# KiCad board EBAZ4205.kicad_pcb (continued)
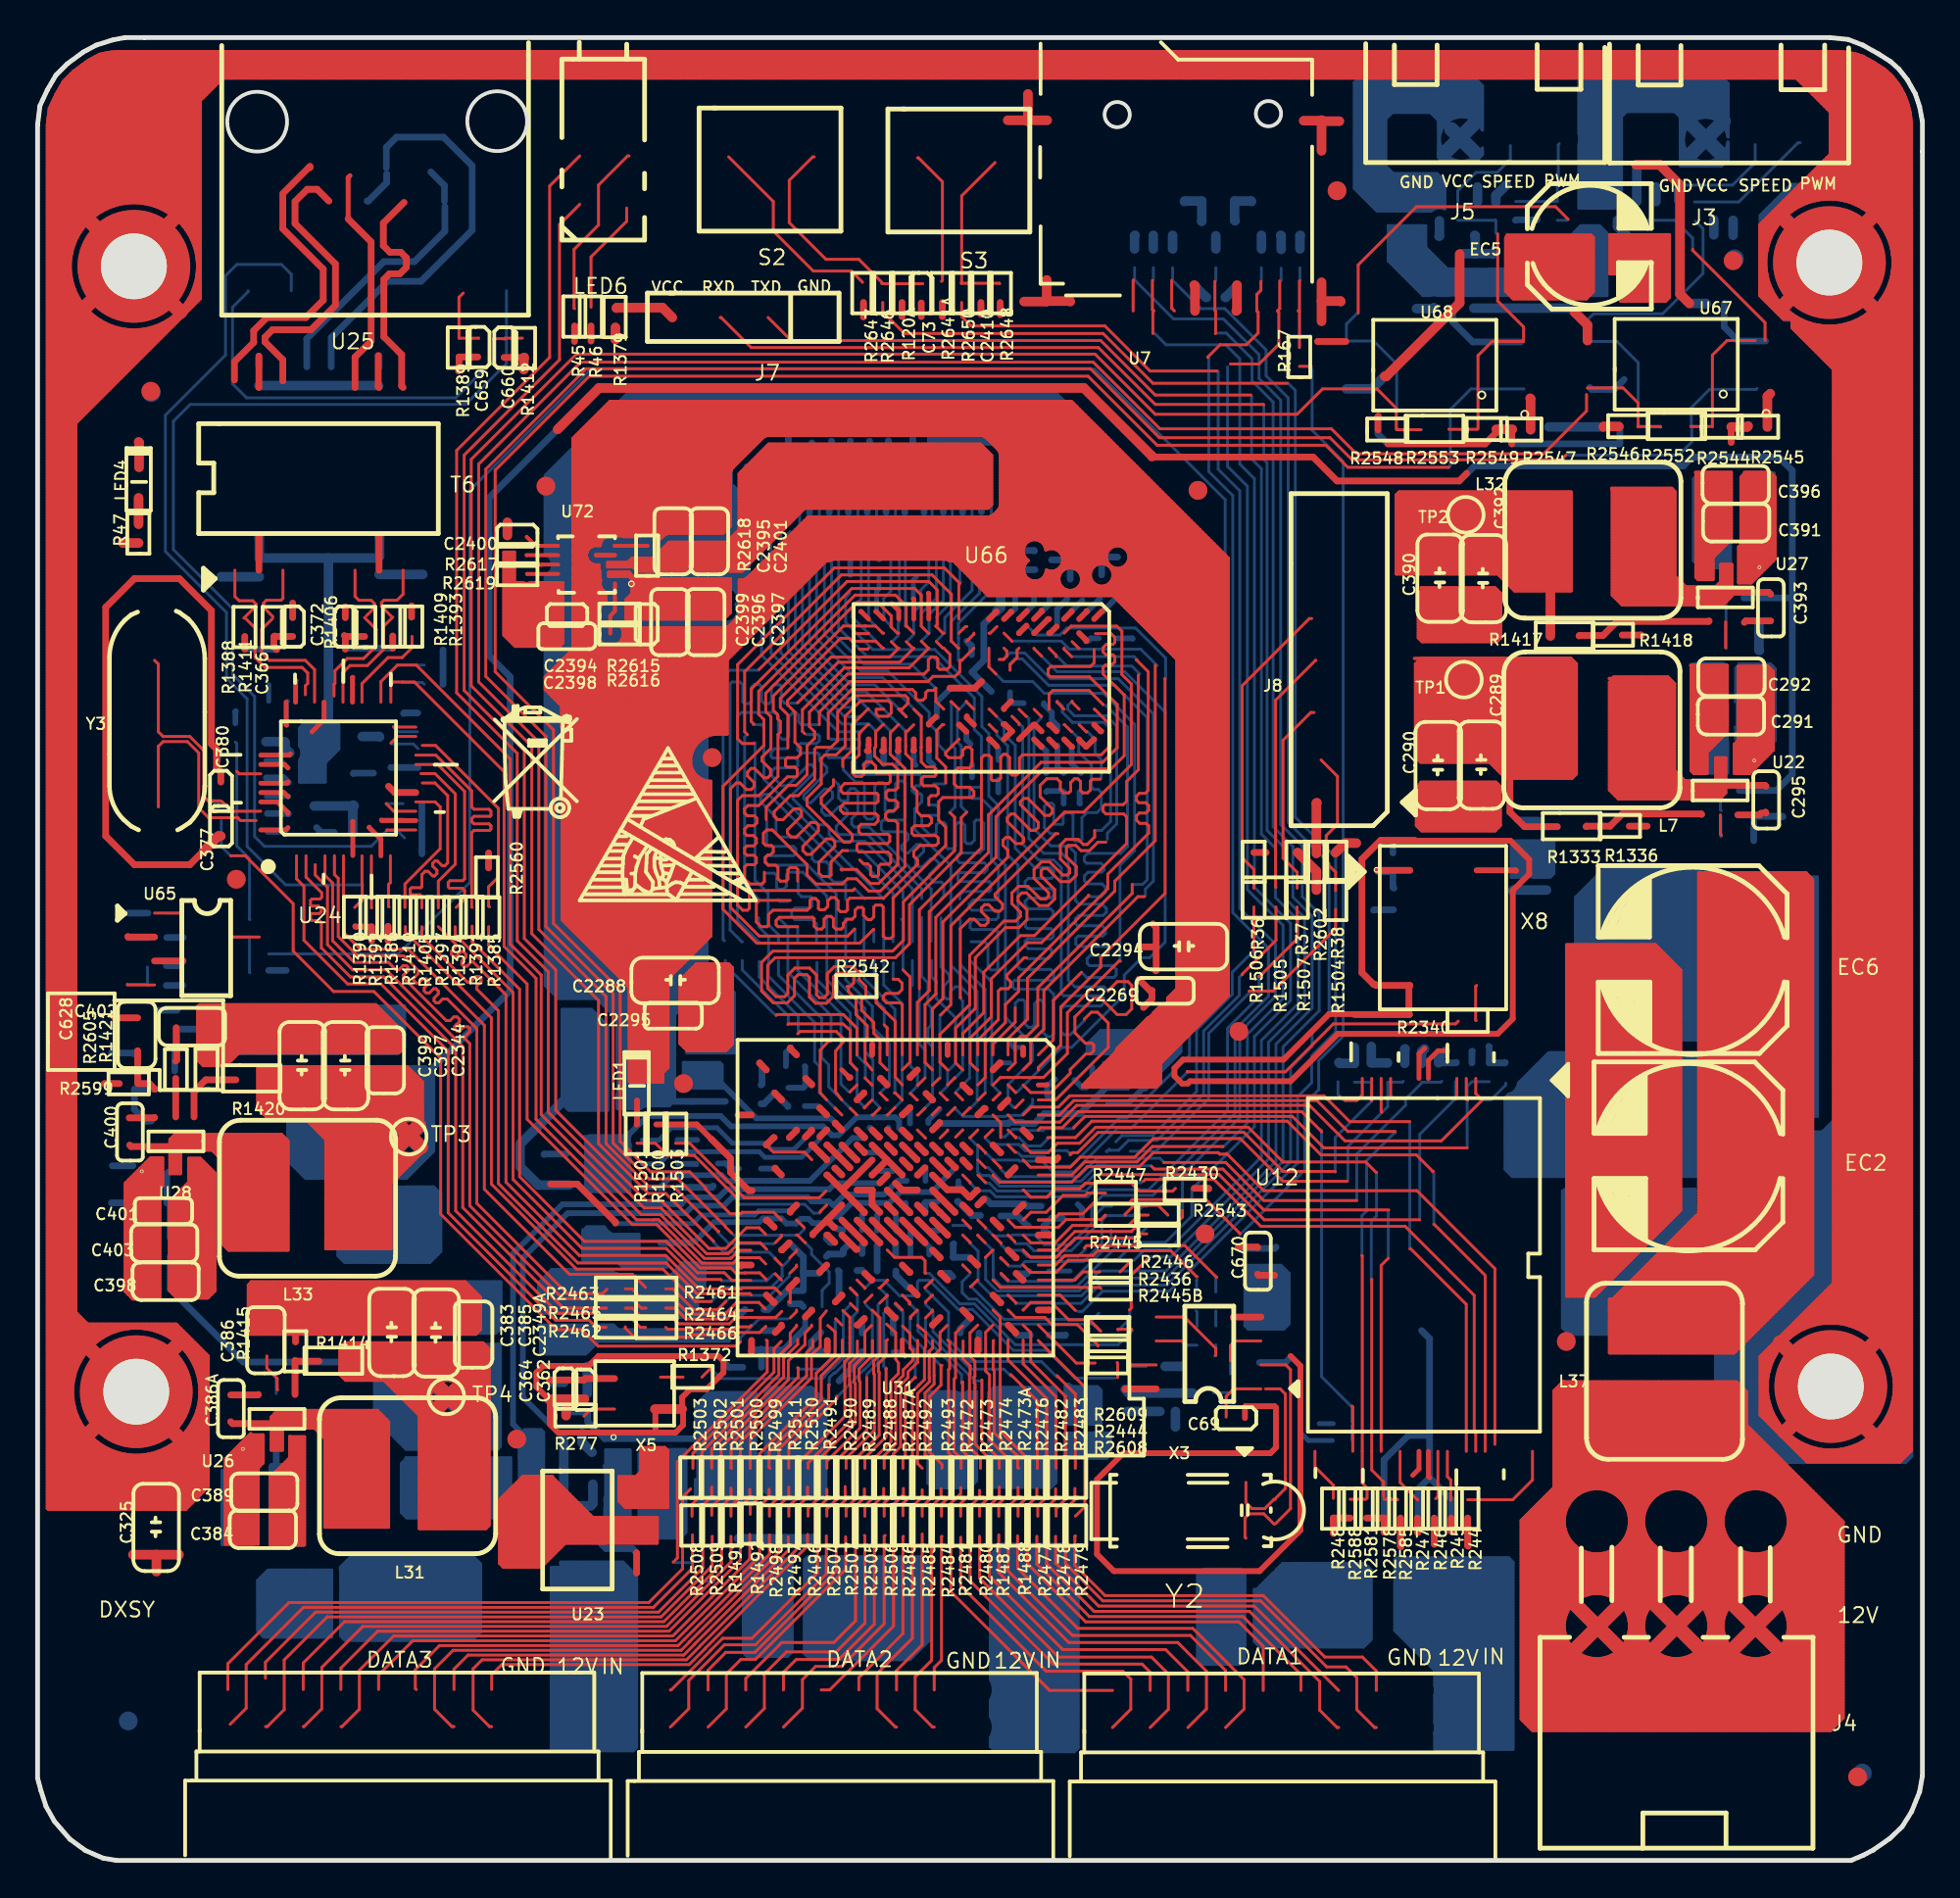
[diagram p0: board, top side]
## Routing (per net, layer and track width the routed paths; a pad name or vN(x,y) marks a point on that pad's centre or on a via; arc(x,y) is an arc through that point) (continued)
Net1: length 278738.8
  Top w0.152: 45.21,42.88 45.21,44.31 45.05,44.48 ; 43.25,29.65 43.6,29.3 ; 49.03,61.28 48.63,61.67 48.6,61.67 ; 36.9,18.33 36.9,18.85 37.4,19.35 37.4,22.28 40.93,25.8 40.93,27.03 41.25,27.35 41.25,27.7 ; 75.1,74.15 69.72,74.15 68.55,75.33 59.58,75.33 55.9,79 29.35,79 24.35,74 24.35,63.28 27.45,60.17 27.45,49.88 31,46.33 31,38.28 32.62,36.65 34.7,36.65 35.54,35.81 35.54,35.73 36.86,34.42 37.42,34.42 37.5,34.5 39.17,34.5 39.58,34.09 ; 11.88,55.85 10.33,55.85 9.83,56.35 ; 50.84,38.88 50.81,38.88 50.43,38.5 ; 50.84,37.28 51.25,36.88 51.25,36.88 ; 51.64,29.3 52.04,28.9 53.6,28.9 53.98,28.52 55.33,28.52 56.43,27.43 56.43,27.38 ; 40.85,32.88 40.43,33.29 40.39,33.29 ; 41.33,90.67 41.25,90.67 40,89.42 40,87.17 41.95,85.23 43.7,85.23 44.93,84 ; 51.03,60.9 50.65,61.28 50.63,61.28 ; 39.93,59.23 39.93,60.98 39.53,61.38 39.53,61.85 42.72,65.05 43.2,65.05 43.36,64.89 43.77,64.89 43.77,64.9 44.6,64.9 44.97,64.53 45.03,64.53 ; 12.2,26.85 12.2,26.2 12.75,25.65 12.75,25.08 12.78,25.05 ; 60.49,82.48 60.35,82.62 60.35,84.1 ; 46.08,19.8 46.08,19.48 45.55,18.95 45.55,12.48 42.15,9.08 41.7,9.08 ; 10.28,53.48 11.05,53.48 13.6,50.93 13.6,48.4 15.75,46.25 17.9,46.25 21.45,42.7 21.45,34.4 27.6,28.25 28.95,28.25 29.83,27.38 37.18,27.38 37.4,27.6 ; 53.43,60.9 53.4,60.9 53.03,61.28 ; 50.45,36.1 50.42,36.1 50.03,36.49 ; 48.1,18.33 48.1,18.95 48.65,19.5 48.65,21.53 48.47,21.7 48.47,26.12 48.53,26.18 48.53,27.59 48.43,27.7 ; 36.33,82.13 36.38,82.13 37.98,80.53 56.45,80.53 59.47,77.5 65.22,77.5 65.25,77.48 ; 14.25,62.05 14.25,62.53 14.38,62.65 14.38,63.2 14.08,63.5 12.1,63.5 11.58,64.03 11.58,65.6 11.03,66.15 ; 21.33,49.7 22.25,48.78 22.25,48.62 22.03,48.4 22.03,48.23 22.12,48.12 22.28,48.12 22.53,48.38 22.65,48.38 22.8,48.23 22.8,48.1 22.58,47.88 22.58,47.7 22.68,47.6 22.85,47.6 23.08,47.83 23.18,47.83 24.93,46.08 24.93,36.1 28.83,32.2 33.43,32.2 35.2,30.43 37.45,30.43 37.5,30.47 39.23,30.47 39.55,30.15 ; 46.22,65.7 46.22,65.7 46.2,65.7 ; 46.22,65.7 46.22,66.78 45.65,67.35 43.5,67.35 38.38,62.23 38.38,61 38.65,60.73 38.65,59.35 36.48,57.17 36.48,50.62 38.28,48.83 43.75,48.83 44.47,49.55 44.5,49.55 ; 46.22,65.7 46.25,65.7 46.63,65.33 ; 67.15,79.53 67.78,79.53 ; 43.08,46.53 43.25,46.53 43.43,46.7 43.43,47.08 43.28,47.23 42.55,47.23 42.35,47.03 42.35,46 41.97,45.62 41.4,45.62 41.08,45.95 41.08,47 40.93,47.15 40.47,47.15 40.28,46.95 40.28,46.03 39.9,45.65 39.15,45.65 38.53,46.28 38.53,47.8 39.12,48.4 45.5,48.4 46.08,48.98 46.08,51.03 48.8,53.75 48.8,55.53 48.55,55.78 ; 75.1,76.17 76.62,76.17 ; 43,17.23 43,15.5 38.2,10.7 37.43,10.7 36.65,9.93 36.65,8.07 35.68,7.1 ; 76.03,41.62 76.03,40.52 76.1,40.45 ; 47.08,18.33 47.08,18.83 47.58,19.33 47.58,21.25 47.22,21.6 47.22,24.88 47.71,25.36 47.71,25.81 47.7,25.81 47.7,26.88 48.03,27.2 48.03,28.1 48.4,28.48 ; 52.05,40.88 52.04,40.88 51.64,41.28 ; 63.22,7.08 64.2,8.06 64.2,9.62 61.47,12.35 55.35,12.35 52.15,15.55 52.15,17.28 ; 65.9,51.8 65.88,51.83 65.88,61.75 68,63.88 68.03,63.88 ; 48,40.08 47.62,39.7 47.62,39.68 ; 52.45,40.48 52.04,40.08 52.03,40.08 ; 47.25,28.88 47.62,29.25 47.62,29.3 ; 49.43,61.7 49.43,61.68 49.83,61.28 ; 50.12,19.7 50.12,19.35 49.62,18.85 49.62,14.88 54.05,10.45 58.78,10.45 59.21,10.02 59.21,9.05 ; 45.21,39.68 45.23,39.68 45.62,40.08 ; 71.5,21.78 71.5,31.67 71.88,32.05 ; 51.18,63.92 51.4,63.92 51.58,64.1 51.58,64.38 51.43,64.53 ; 56.83,35.53 55.88,35.53 55.75,35.4 54.58,35.4 53.68,34.5 52.86,34.5 52.45,34.09 ; 64.3,20.12 64.3,19.05 64.62,18.73 65.3,18.73 65.8,19.23 65.88,19.23 ; 66.5,78.63 59.35,78.63 56.7,81.28 46.12,81.28 44.97,82.42 44.97,82.92 ; 39.97,29.75 40.05,29.68 ; 50.45,37.68 50.44,37.68 50.03,38.08 ; 63.08,38 59.33,38 58.5,37.18 55.73,37.18 55.04,36.49 53.25,36.49 ; 20.45,49.7 20.45,49.18 22.88,46.75 23.03,46.75 23.33,47.05 23.5,47.05 23.6,46.95 23.6,46.78 23.38,46.55 23.38,46.38 24.53,45.23 24.53,36.03 28.75,31.8 33.45,31.8 35.08,30.17 37.9,30.17 37.98,30.1 ; 53.25,32.49 54.22,32.49 55.2,33.48 58.2,33.48 58.53,33.8 60.47,33.8 60.93,34.25 60.93,34.6 ; 52.45,42.08 52.85,42.48 52.85,43.55 53.55,44.25 53.55,46.3 58.55,51.3 58.9,51.3 ; 40.39,29.3 40.39,29.21 40.05,28.88 ; 67.03,51.75 67.03,52.6 66.28,53.35 66.28,59.63 67.75,61.1 67.93,61.1 ; 44.03,41.65 44.4,41.28 44.41,41.28 ; 43.25,40.03 43.26,40.03 43.6,39.68 ; 52.62,48.05 52.5,48.05 51.58,47.12 51.58,46.98 51.78,46.78 51.78,46.53 51.65,46.4 51.25,46.4 51.12,46.28 51.12,44.75 50.03,43.66 50.03,42.88 ; 50.63,60.45 50.65,60.45 51.03,60.08 ; 23.12,49.73 23.12,48.9 25.65,46.38 25.65,36.4 29.1,32.95 33.45,32.95 35.12,31.28 36.54,31.28 36.95,30.88 37.95,30.88 ; 46.82,39.68 46.86,39.68 47.22,40.05 ; 20.48,57.35 21.15,57.35 21.83,56.67 21.83,53.1 21.68,52.95 21.53,52.95 21.28,53.2 21.15,53.2 21.03,53.08 21.03,52.93 21.25,52.7 21.25,52.53 21.12,52.4 21.03,52.4 20.78,52.65 20.62,52.65 20.45,52.48 20.45,51.83 20.4,51.78 19.9,51.78 19.83,51.7 19.83,51.48 19.9,51.4 20.35,51.4 20.45,51.3 20.45,50.7 ; 42.8,40.48 42.46,40.91 42.46,43.07 42.88,43.58 42.88,43.75 42.5,44.12 40.58,44.12 40.45,44 ; 17.78,50.7 17.77,50.71 17.77,53.48 ; 43.47,51.73 43.38,51.62 38.08,51.62 37.88,51.43 37.88,50.68 37.78,50.58 37.53,50.58 37.25,50.85 37.25,56.42 37.5,56.67 38.38,56.67 39.4,57.7 39.4,59.92 39.53,60.05 39.53,60.63 39.38,60.78 39.38,61 39.15,61.23 39.15,61.98 42.88,65.71 44.05,65.71 44.05,65.7 44.6,65.7 44.97,65.33 45.03,65.33 ; 38.55,51.98 37.9,51.98 37.62,52.25 37.62,52.88 37.75,53 38.15,53 38.25,53.1 38.25,53.38 38.12,53.5 37.75,53.5 37.62,53.62 37.62,53.88 37.75,54 38.1,54 38.25,54.15 38.25,54.4 38.1,54.55 37.75,54.55 37.62,54.67 37.62,54.9 37.8,55.08 38.12,55.08 38.28,55.23 38.28,55.48 38.15,55.6 37.78,55.6 37.62,55.75 37.62,55.98 37.8,56.15 38.38,56.15 39.9,57.67 40.35,57.67 40.43,57.75 40.43,58.08 40.3,58.2 39.88,58.2 39.8,58.28 39.8,58.6 39.9,58.7 40.43,58.7 40.6,58.88 40.6,59.23 40.3,59.53 40.3,61.13 39.9,61.53 39.9,61.73 42.22,64.05 45.35,64.05 45.83,64.53 45.78,64.53 45.43,64.88 ; 38.55,51.98 38.6,52.03 ; 38.55,51.98 38.68,52.1 38.68,52.6 ; 43.6,30.1 43.25,30.45 43.25,30.48 ; 53.03,64.53 53.03,64.5 53.43,64.1 ; 55.43,60.45 55.8,60.08 55.83,60.08 ; 44.41,42.08 44.04,42.51 44.04,43.66 44.15,43.83 44.15,44.43 43.55,45.03 43.55,45.85 43.15,46.25 43.15,46.43 ; 72,41.62 72,40.7 72.12,40.58 72.78,40.58 ; 51.64,30.89 51.63,30.89 51.28,31.25 ; 76.65,76.2 76.65,80.1 77.4,80.85 79.08,80.85 79.08,81.63 77.7,83 77.7,86.58 ; 48.43,39.68 48.43,39.68 48.83,40.08 ; 50.95,90.38 49.18,88.6 49.18,83.92 ; 18.55,56.25 18.95,55.85 20.12,55.85 ; 51.18,19.88 51.18,19.4 50.65,18.88 50.65,15.12 54.55,11.23 60.03,11.23 61.21,10.04 61.21,9.05 ; 58.1,29.3 58.2,29.4 58.2,31.15 59,31.95 59,31.98 ; 67.8,66.1 67.68,66.1 64.1,62.53 64.1,53.38 64.72,52.75 64.72,51.75 ; 18.8,59.48 19.15,59.83 20.12,59.83 ; 41.97,17.28 41.97,15.25 38.2,11.48 36.55,11.48 34.65,9.58 34.65,8.07 33.68,7.1 ; 51.2,83.92 51.18,83.95 49.18,83.95 49.15,83.98 ; 18.77,53.48 18.77,52.05 18.68,51.95 18.68,50.78 18.7,50.75 ; 47.62,30.1 47.25,29.72 47.25,29.7 ; 59.93,37.15 63.22,37.15 65.25,35.12 70.2,35.12 ; 56.58,28.18 55.97,28.78 54.88,28.78 53.95,29.7 52.85,29.7 52.45,29.3 52.45,29.3 ; 48.85,40.85 48.86,40.85 49.23,40.48 ; 38.95,17.33 38.95,16.3 34.41,11.76 ; 45.21,30.1 45.21,30.06 44.83,29.68 ; 52.45,32.49 52.84,32.1 54.2,32.1 55.22,33.12 58.38,33.12 58.6,33.35 59.03,33.35 ; 18.58,54.83 18.6,54.85 20.12,54.85 ; 41.95,35.62 41.6,35.28 37.6,35.28 34.7,38.18 33.95,38.18 ; 18.95,60.35 18.98,60.32 20.12,60.32 ; 63.47,79.65 65,79.65 66.05,80.7 66.05,82.4 65.98,82.48 66.1,82.6 66.1,84.08 ; 9.75,56.4 9.18,56.4 9.12,56.35 8.85,56.63 8.85,59.08 8.1,59.83 6.68,59.83 6.43,60.08 6.43,63.67 6.23,63.88 ; 52.08,29.68 52.06,29.68 51.64,30.1 ; 46.05,18.35 46.05,19 46.55,19.5 46.55,24.95 46.89,25.29 47.2,25.6 47.2,27.21 47.26,27.38 47.26,28.11 46.83,28.48 ; 17.26,61.65 17.26,62.64 18.65,64.03 19.4,64.03 19.93,64.55 19.93,65.15 ; 63.25,23.6 63.25,24.7 63.65,25.1 65.1,25.1 ; 56.55,57.55 56.12,57.55 56.03,57.45 56.03,56.98 55.88,56.83 55.62,56.83 55.5,56.95 55.5,57.42 55.35,57.58 55.18,57.58 54.97,57.38 54.97,56.92 54.88,56.83 54.6,56.83 54.43,57 54.43,57.4 54.25,57.58 53.7,57.58 53.35,57.23 53.35,56.63 54,55.98 54,55.78 53.85,55.63 53.6,55.63 52.7,56.53 52.47,56.53 52.3,56.35 52.3,56.2 53.25,55.25 53.25,54.98 53.1,54.83 52.85,54.83 51.97,55.7 51.8,55.7 51.6,55.5 51.6,55.3 52.47,54.42 52.47,54.23 52.38,54.12 52.05,54.12 51.72,54.45 51.53,54.45 51.38,54.3 51.38,54.03 51.62,53.78 51.62,53.4 48.18,49.95 48.18,45.88 47.62,45.32 47.62,42.88 ; 48.12,17.25 48.1,17.23 48.1,10.65 47.71,10.26 47.71,9.08 ; 30.25,28.38 29.73,28.38 29.35,28.75 27.58,28.75 21.85,34.48 21.85,43.08 18.28,46.65 16.5,46.65 14.18,48.98 14.18,51.85 13.78,52.25 13.78,53.48 ; 56.97,46.28 56.97,46.3 57.45,46.78 58.03,46.78 58.22,46.58 58.22,45.33 57.93,45.03 57.45,45.03 56.58,45.9 56.2,45.9 55.2,44.9 55.2,44.05 55.75,43.5 56.1,43.5 56.2,43.4 56.2,43.1 56.03,42.93 55.78,42.93 54.95,42.1 54.95,41.9 53.93,40.88 52.85,40.88 52.45,41.28 ; 21.33,50.7 21.33,52.12 22.23,53.03 22.23,56.78 21.15,57.85 20.4,57.85 ; 44,17.3 44.03,17.28 44.03,12.62 42.5,11.1 39.85,11.1 38.68,9.93 38.68,8.09 37.69,7.1 ; 45.21,42.08 44.83,42.46 44.83,43.25 44.83,43.26 44.83,43.69 44.5,44.03 44.5,44.6 43.85,45.25 43.85,45.83 44.08,46.05 44.08,46.48 ; 48.12,20.88 48.12,21.08 47.48,21.72 47.48,24.7 48.08,25.3 48.08,26.35 48.08,26.35 48.13,26.35 ; 56.28,26.48 55.27,26.48 53.25,28.5 ; 64.1,47.15 64.1,47.18 65.9,48.98 65.9,50.75 ; 44.83,40.85 45.2,40.48 45.21,40.48 ; 46.22,64.88 46.58,64.53 46.63,64.53 45.88,63.78 42.6,63.78 40.45,61.63 ; 46.05,20.88 46.05,21.4 46.18,21.53 46.18,25.2 46.68,25.7 46.73,25.7 ; 50.03,33.29 50.03,33.27 50.43,32.88 ; 60.15,34.35 59.62,34.88 58.35,34.88 57.88,34.4 57.88,34.35 ; 50.84,33.29 51.28,32.85 51.28,32.85 ; 24.25,81 24.88,81 ; 56.22,61.28 56.25,61.28 57.08,60.45 57.08,59.33 56.6,58.85 52.43,58.85 52.25,58.67 52.25,57.92 52.1,57.78 51.85,57.78 51.72,57.9 51.72,58.7 51.55,58.88 51.4,58.88 51.25,58.73 51.25,57.6 51.12,57.48 50.83,57.48 50.75,57.55 50.75,58.7 50.62,58.83 50.38,58.83 50.22,58.67 50.22,53.9 46.93,50.6 46.93,46.4 ; 65.1,26.38 66.43,26.38 66.68,26.12 66.68,18.73 65.88,17.93 ; 44.03,20.88 44.03,21.43 45.15,22.55 45.15,26.15 45.18,26.18 ; 14.74,61.65 14.74,63.39 14.25,63.88 12.33,63.88 11.93,64.28 11.93,65.53 12.5,66.1 ; 43.03,20.88 43.03,21.4 44.53,22.91 44.53,25.87 44.49,25.91 44.49,26.58 44.83,26.92 44.83,28.88 44.41,29.3 ; 70.49,41.62 70.49,40.74 70.2,40.45 69.6,40.45 69.58,40.48 ; 55.22,20.88 55.22,24.83 54.25,25.8 ; 41.99,34.89 41.65,34.54 41.65,34.5 ; 50.03,34.09 50.45,33.68 ; 59.28,36.95 59.43,36.8 63.08,36.8 65.25,34.62 71.9,34.62 ; 46.82,41.28 46.85,41.28 47.22,41.65 ; 34.75,19.78 34.33,19.35 34.33,15.53 32.53,13.73 13.38,13.73 10.13,10.48 10.13,9.1 ; 49.12,17.2 49.12,14.62 53.68,10.08 57.75,10.08 58.18,9.65 58.18,8.05 57.95,7.83 57.2,7.08 ; 51.25,38.48 51.25,39.27 50.84,39.68 ; 42.45,40.05 42.45,40.03 42.8,39.68 ; 69.7,36.15 66.28,36.15 64,38.43 59.38,38.43 58.38,37.43 55.48,37.43 54.95,36.9 52.83,36.9 52.7,37.03 52.7,37.03 52.45,37.28 ; 52.03,33.7 54.32,33.7 54.74,34.12 56.59,34.12 56.79,34.32 ; 52.03,33.7 51.64,34.09 ; 52.03,33.7 53.95,33.7 ; 41.2,37.3 40.8,37.7 39.16,37.7 38.78,38.08 ; 46.42,29.65 46.42,29.62 46.4,29.62 46.4,29.65 46.43,29.68 46.43,29.69 46.01,30.1 ; 43.6,42.88 43.6,44.3 42.88,45.03 39.35,45.03 39.3,44.98 ; 51.64,38.08 52.03,37.7 52.05,37.7 ; 40.39,34.09 40.8,33.68 ; 15.8,53.48 15.8,52.48 16,52.28 16,49.18 17.03,48.15 19.48,48.15 20.25,47.38 20.25,47.2 20,46.95 20,46.85 20.15,46.7 20.28,46.7 20.5,46.93 20.68,46.93 20.8,46.8 20.8,46.68 20.58,46.45 20.58,46.28 20.68,46.18 20.85,46.18 21.08,46.4 21.2,46.4 21.33,46.28 21.33,46.12 21.1,45.9 21.1,45.75 21.2,45.65 21.35,45.65 21.55,45.85 21.8,45.85 23.38,44.28 23.38,34.98 28.18,30.18 30.08,30.18 30.3,30.4 ; 37.98,28.48 37.9,28.4 37.18,28.4 37.05,28.28 33.53,28.28 33.43,28.38 ; 34.85,17.33 34.85,15.55 32.77,13.47 14.15,13.47 11.1,10.43 11.1,8.1 10.25,7.25 ; 49.23,34.09 49.64,33.68 49.65,33.68 ; 42.53,24.7 42.53,24.58 39.97,22.03 39.97,20.88 ; 24.83,80.98 24.88,81.03 25.8,81.03 ; 53.25,27.68 55.72,25.2 55.72,18.83 55.22,18.33 ; 54.2,18.33 54.2,18.73 54.7,19.23 54.7,24.7 52.85,26.55 52.85,28.09 52.45,28.5 ; 65.22,9.05 65.22,11.4 63.93,12.7 55.78,12.7 52.68,15.8 52.68,18.88 53.18,19.38 53.18,19.78 ; 38.95,18.33 38.95,18.85 39.45,19.35 39.45,21.9 42.1,24.55 42.1,25.3 42.12,25.33 ; 50.12,18.33 50.12,18.83 50.7,19.4 50.7,19.67 50.7,19.68 50.7,20.07 50.7,20.08 50.7,20.67 50.7,20.68 50.7,21.07 50.7,21.08 50.7,21.35 49.88,22.17 49.88,25.17 49.89,25.18 49.89,25.36 49.84,25.41 49.84,25.74 49.88,25.78 49.88,26.57 49.62,26.83 49.62,28.08 50.03,28.5 ; 12.13,7.12 12.23,7.12 13.12,8.03 13.12,10.68 15.41,12.96 33.18,12.96 35.9,15.68 35.9,17.25 ; 28.58,82.6 28.55,82.63 28.55,85.75 29.85,87.05 29.85,89.17 31.4,90.73 31.48,90.73 ; 20.12,56.34 21.16,56.34 21.43,56.08 21.43,53.85 19.55,51.98 19.55,50.73 ; 43.75,53.25 43.95,53.05 44.18,53.05 44.33,52.9 44.33,52.48 44.43,52.38 44.68,52.38 44.75,52.45 44.75,52.9 44.88,53.03 45.3,53.03 45.4,53.12 45.4,53.53 45.25,53.68 43.7,53.68 43.6,53.78 43.6,54.05 43.68,54.12 45.22,54.12 45.35,54.25 45.35,54.53 45.25,54.63 43.83,54.63 43.7,54.75 43.7,55.03 43.83,55.15 44.55,55.15 44.72,55.33 44.72,55.6 44.6,55.73 42.9,55.73 42.72,55.9 42.72,56.08 42.93,56.28 44.62,56.28 44.72,56.38 44.72,56.73 44.65,56.8 42.88,56.8 42.75,56.92 42.75,57.13 42.95,57.33 45.28,57.33 45.38,57.42 45.38,57.75 45.25,57.88 44.65,57.88 44.6,57.92 44.6,58.25 44.38,58.48 44.12,58.48 43.97,58.33 43.97,57.83 43.85,57.7 43.53,57.7 43.35,57.88 43.35,58.48 43.72,58.85 43.72,59.95 43.75,59.98 43.75,60.03 44.18,60.45 44.23,60.45 ; 45.71,9.08 45.71,10.11 47.08,11.48 47.08,17.38 ; 42.05,28.48 42.44,28.14 42.44,26.92 41.43,25.93 41.43,24.66 38.43,21.65 38.43,19.38 37.93,18.88 37.93,18.43 ; 38.75,28.43 38.43,28.1 37.25,28.1 37.12,27.98 34.83,27.98 34.7,27.85 31.75,27.85 31.28,28.33 31.28,28.4 ; 53.83,61.28 53.83,62.08 54.03,62.28 55.95,62.28 56.7,61.53 ; 57.47,28.28 58.2,28.28 58.22,28.25 ; 54.3,54.65 54.18,54.65 50.95,51.43 50.95,51.3 51.35,50.9 51.35,50.68 51.2,50.53 50.95,50.53 50.6,50.88 50.4,50.88 50.22,50.7 50.22,50.5 50.58,50.15 50.58,49.93 50.43,49.78 50.18,49.78 49.85,50.1 49.6,50.1 49.1,49.6 49.1,45.93 49.12,45.93 ; 49.03,66.08 49.03,67.93 49.08,67.98 48.25,68.8 42.4,68.8 37.25,63.65 37.25,59.7 37.5,59.45 38.12,59.45 ; 50.84,41.28 51.24,41.68 53.53,41.68 54.8,42.95 54.8,45.12 57.55,47.88 57.6,47.88 ; 52.45,35.69 52.46,35.69 52.85,35.3 53.7,35.3 54.15,35.75 55.45,35.75 55.75,36.05 58.2,36.05 58.62,35.62 60.4,35.62 60.55,35.78 ; 51.75,63.35 51.75,63.65 52.12,64.03 52.12,64.42 52.23,64.53 ; 77.03,21.78 77.03,31.14 74.33,33.85 74.3,33.85 ; 48.23,65.33 48.18,65.33 47.8,65.7 47.88,65.78 47.88,65.93 47.87,65.93 47.87,66.22 47.88,66.22 47.88,67.63 47.43,68.08 43.08,68.08 38.4,63.4 ; 71.5,41.62 71.5,39.85 71.53,39.83 ; 46.45,28.85 46.45,28.93 46.82,29.3 ; 40.39,32.49 40.39,32.44 40.03,32.08 ; 41.19,28.5 41.19,28.44 40.84,28.06 40.84,27.45 39.95,26.6 39.95,25.58 36.38,22 36.38,19.33 35.88,18.83 35.88,18.38 ; 44,19.78 44,19.33 43.53,18.85 43.53,12.75 42.38,11.6 39.6,11.6 37.69,9.69 37.69,9.08 ; 59.47,63.63 59.47,54.28 57.33,52.12 57.33,51.6 52.68,46.95 52.68,44.78 51.64,43.74 51.64,42.88 ; 48.1,84.05 48.15,84.1 48.15,89.35 46.88,90.63 46.83,90.63 ; 67.12,82.48 67.15,82.45 67.15,80.53 ; 52.18,18.33 52.18,18.85 52.7,19.38 52.7,21.38 51.22,22.85 51.22,28.91 50.84,29.3 ; 69.08,50.62 69.08,49.6 65.75,46.28 64.47,46.28 ; 30.28,29.4 27.98,29.4 22.62,34.75 22.62,43.33 18.55,47.4 16.78,47.4 15.43,48.75 15.43,51.8 14.78,52.45 14.78,53 ; 91.93,80.9 91.93,81.85 88.08,85.7 88.08,85.75 ; 47.62,42.08 47.22,42.47 47.22,45.55 47.8,46.12 47.8,50.2 51,53.4 51,55.55 53.55,58.1 57.12,58.1 57.83,58.8 57.83,62.03 56.7,63.15 56.7,63.5 56.83,63.63 57.15,63.63 57.33,63.8 57.33,64.08 57.22,64.17 56.85,64.17 56.7,64.33 56.7,64.55 56.88,64.73 57.22,64.73 57.33,64.83 57.33,65.1 57.12,65.3 56.3,65.3 ; 62.65,84.05 62.65,82.51 62.69,82.48 62.69,81.29 62.68,81.28 ; 44.41,40.48 44,40.07 44,40.05 ; 32.35,30.5 31.65,31.2 28.3,31.2 23.78,35.73 23.78,44.45 19.73,48.5 17.18,48.5 16.28,49.4 16.28,53.48 ; 57.2,9.05 53.85,9.05 48.6,14.3 48.6,19 49.12,19.53 49.12,19.85 ; 43.9,84 43.3,84.6 41.28,84.6 39.15,86.73 39.15,88.3 36.78,90.67 ; 42.8,28.5 42.47,28.82 42.47,28.83 ; 54.25,61.7 54.25,61.65 54.62,61.28 ; 73.03,39.33 69.83,39.33 68.45,40.7 54.93,40.7 54.33,40.1 52.87,40.1 52.45,39.68 ; 50.84,36.49 50.84,36.46 51.2,36.1 55.03,36.1 55.85,36.93 58.62,36.93 59.38,37.68 62.83,37.68 62.91,37.59 63.24,37.59 63.27,37.62 65.25,35.65 73.4,35.65 77.55,31.5 77.55,22.15 ; 35.35,25.73 35.85,26.23 35.88,26.23 ; 53.25,30.89 55.19,30.89 55.62,31.33 56.53,31.33 ; 35.85,29.75 35,29.75 33.28,31.48 28.68,31.48 24.15,36 24.15,44.85 19.58,49.43 19.58,49.7 ; 61.18,42 61.2,41.98 66.4,41.98 68.95,44.53 75.45,44.53 75.6,44.68 ; 41.97,29.25 41.65,28.85 41.65,27.35 41.18,26.9 41.18,25.68 37.93,22.43 37.93,20.88 ; 36.38,30.9 36.35,30.93 35.1,30.93 33.45,32.58 28.98,32.58 25.3,36.25 25.3,46.2 22.23,49.28 22.23,49.7 ; 39.97,19.88 39.97,19.4 39.45,18.88 39.45,16.4 34.69,11.64 34.69,11.63 34.25,11.19 22.11,11.19 21.12,10.2 21.12,8.05 22.05,7.12 22.16,7.12 ; 71,40.45 70.99,40.46 70.99,41.62 ; 89.12,76.3 89.12,80.13 89.9,80.9 91.4,80.9 ; 54.95,37.55 55.08,37.68 55.35,37.68 56.43,38.75 64.2,38.75 66.28,36.68 69.03,36.68 69.05,36.65 ; 50.03,38.88 49.63,38.48 49.6,38.48 ; 45.83,65.33 45.75,65.33 45.4,65.67 ; 24.16,9.1 24.16,9.89 24.7,10.42 34.67,10.42 35.53,11.28 35.53,11.29 40.97,16.74 40.97,17.35 ; 74.4,19.25 74.52,19.37 74.52,21.78 ; 69.23,7.08 69.15,7.08 68.22,8 68.22,9.53 64.49,13.26 56.22,13.26 53.7,15.78 53.7,18.78 54.18,19.25 54.18,19.78 ; 49.45,64.9 49.83,65.28 49.83,65.33 ; 51.85,60.9 52.23,60.52 52.23,60.45 ; 73.55,34.1 65.28,34.1 62.87,36.51 58.68,36.51 58.68,36.5 56.47,36.5 56.45,36.53 ; 47.03,64.9 47.4,64.53 47.43,64.53 46.38,63.48 42.93,63.48 40.7,61.25 40.7,60.1 40.83,59.98 ; 44.23,64.53 44.18,64.48 43.72,64.48 ; 33.43,30.43 33.8,30.43 34.9,29.33 36.2,29.33 36.62,29.75 ; 45.24,30.89 44.83,30.48 44.78,30.48 ; 42,20.88 42,21.25 43.77,23.02 43.77,25.48 43.72,25.53 43.72,26.17 44.43,26.88 44.43,27.68 ; 87.97,76.33 89.03,76.33 ; 61.21,7.08 62.2,8.06 62.2,10.08 60.68,11.6 54.88,11.6 51.15,15.33 51.15,17.33 ; 46.82,38.88 47.25,38.45 ; 38.78,30.93 38.43,31.28 37.65,31.28 37.64,31.27 37.16,31.27 36.89,31.54 35.26,31.54 32.94,33.85 31.65,33.85 26.05,39.45 26.05,46.65 24,48.7 24,49.7 ; 71.24,7.08 71.15,7.08 70.2,8.03 70.2,9.73 69.62,10.3 68.6,10.3 65.08,13.82 56.68,13.82 54.7,15.8 54.7,18.7 55.2,19.2 55.2,19.8 ; 4.78,46.62 4.8,46.6 6.23,46.6 ; 45.65,29.65 45.66,29.65 46.01,29.3 ; 42.85,29.28 43.22,28.9 43.22,28.66 43.22,27.86 43.22,26.83 42.95,26.56 42.95,25.73 42.96,25.72 42.96,23.63 40.47,21.15 40.47,19.35 39.97,18.85 39.97,18.33 ; 53.25,40.48 54.18,40.48 56.97,43.28 56.97,44.58 56.4,45.15 56.08,45.15 55.7,44.78 ; 52.05,38.51 52.05,38.48 51.64,38.88 ; 43.6,42.08 43.25,42.46 43.25,44.19 42.85,44.53 39.95,44.53 39.93,44.5 ; 34.88,20.88 34.88,21.68 39.19,25.99 39.19,27.24 39.58,27.62 ; 48.43,40.48 48.4,40.48 48.03,40.85 ; 36.25,33.48 36.23,33.48 33.83,35.88 32.53,35.88 30.25,38.15 30.25,45.98 26.68,49.55 26.68,59.53 23.48,62.73 23.48,74.33 28.9,79.75 56.18,79.75 59.72,76.2 68.85,76.2 70.18,74.88 80.15,74.88 82.43,77.15 82.43,78.03 ; 43.23,40.9 43.6,41.28 ; 48.85,38.5 49.23,38.88 49.23,38.88 ; 34.41,11.76 34.41,11.74 ; 34.41,11.76 34.09,11.44 21.39,11.44 20.1,10.15 20.1,9.15 20.15,9.1 ; 64.58,78 59.47,78 56.58,80.9 40.1,80.9 38.88,82.13 ; 38.93,19.75 38.93,19.35 38.43,18.85 38.43,16.18 33.94,11.69 19.97,11.69 18.15,9.87 18.15,9.1 ; 55.15,39 55.15,39.03 55.73,39.6 66.77,39.6 68.45,37.93 76.08,37.93 ; 46.82,42.88 46.82,45.67 47.45,46.3 47.45,50.5 50.6,53.65 50.6,55.65 53.4,58.45 56.68,58.45 57.45,59.23 57.45,61.53 55.97,63 53.9,63 53.78,63.13 53.78,63.4 53.93,63.55 56.03,63.55 56.22,63.75 56.22,64.45 ; 43.6,65.3 44.2,65.3 44.23,65.33 ; 58.1,26.35 58.12,26.38 59.53,26.38 ; 48.05,45 48.6,45.55 48.6,49.75 54.65,55.8 55.68,55.8 58.2,58.33 58.2,62.63 57.7,63.13 57.7,65.42 57.43,65.7 55,65.7 54.62,65.33 ; 58.33,84.13 58.3,84.1 58.3,82.48 ; 44.08,46.53 43.72,46.88 43.72,47.23 43.38,47.58 42.4,47.58 42.03,47.2 